# KiCad board rot.kicad_pcb (continued)
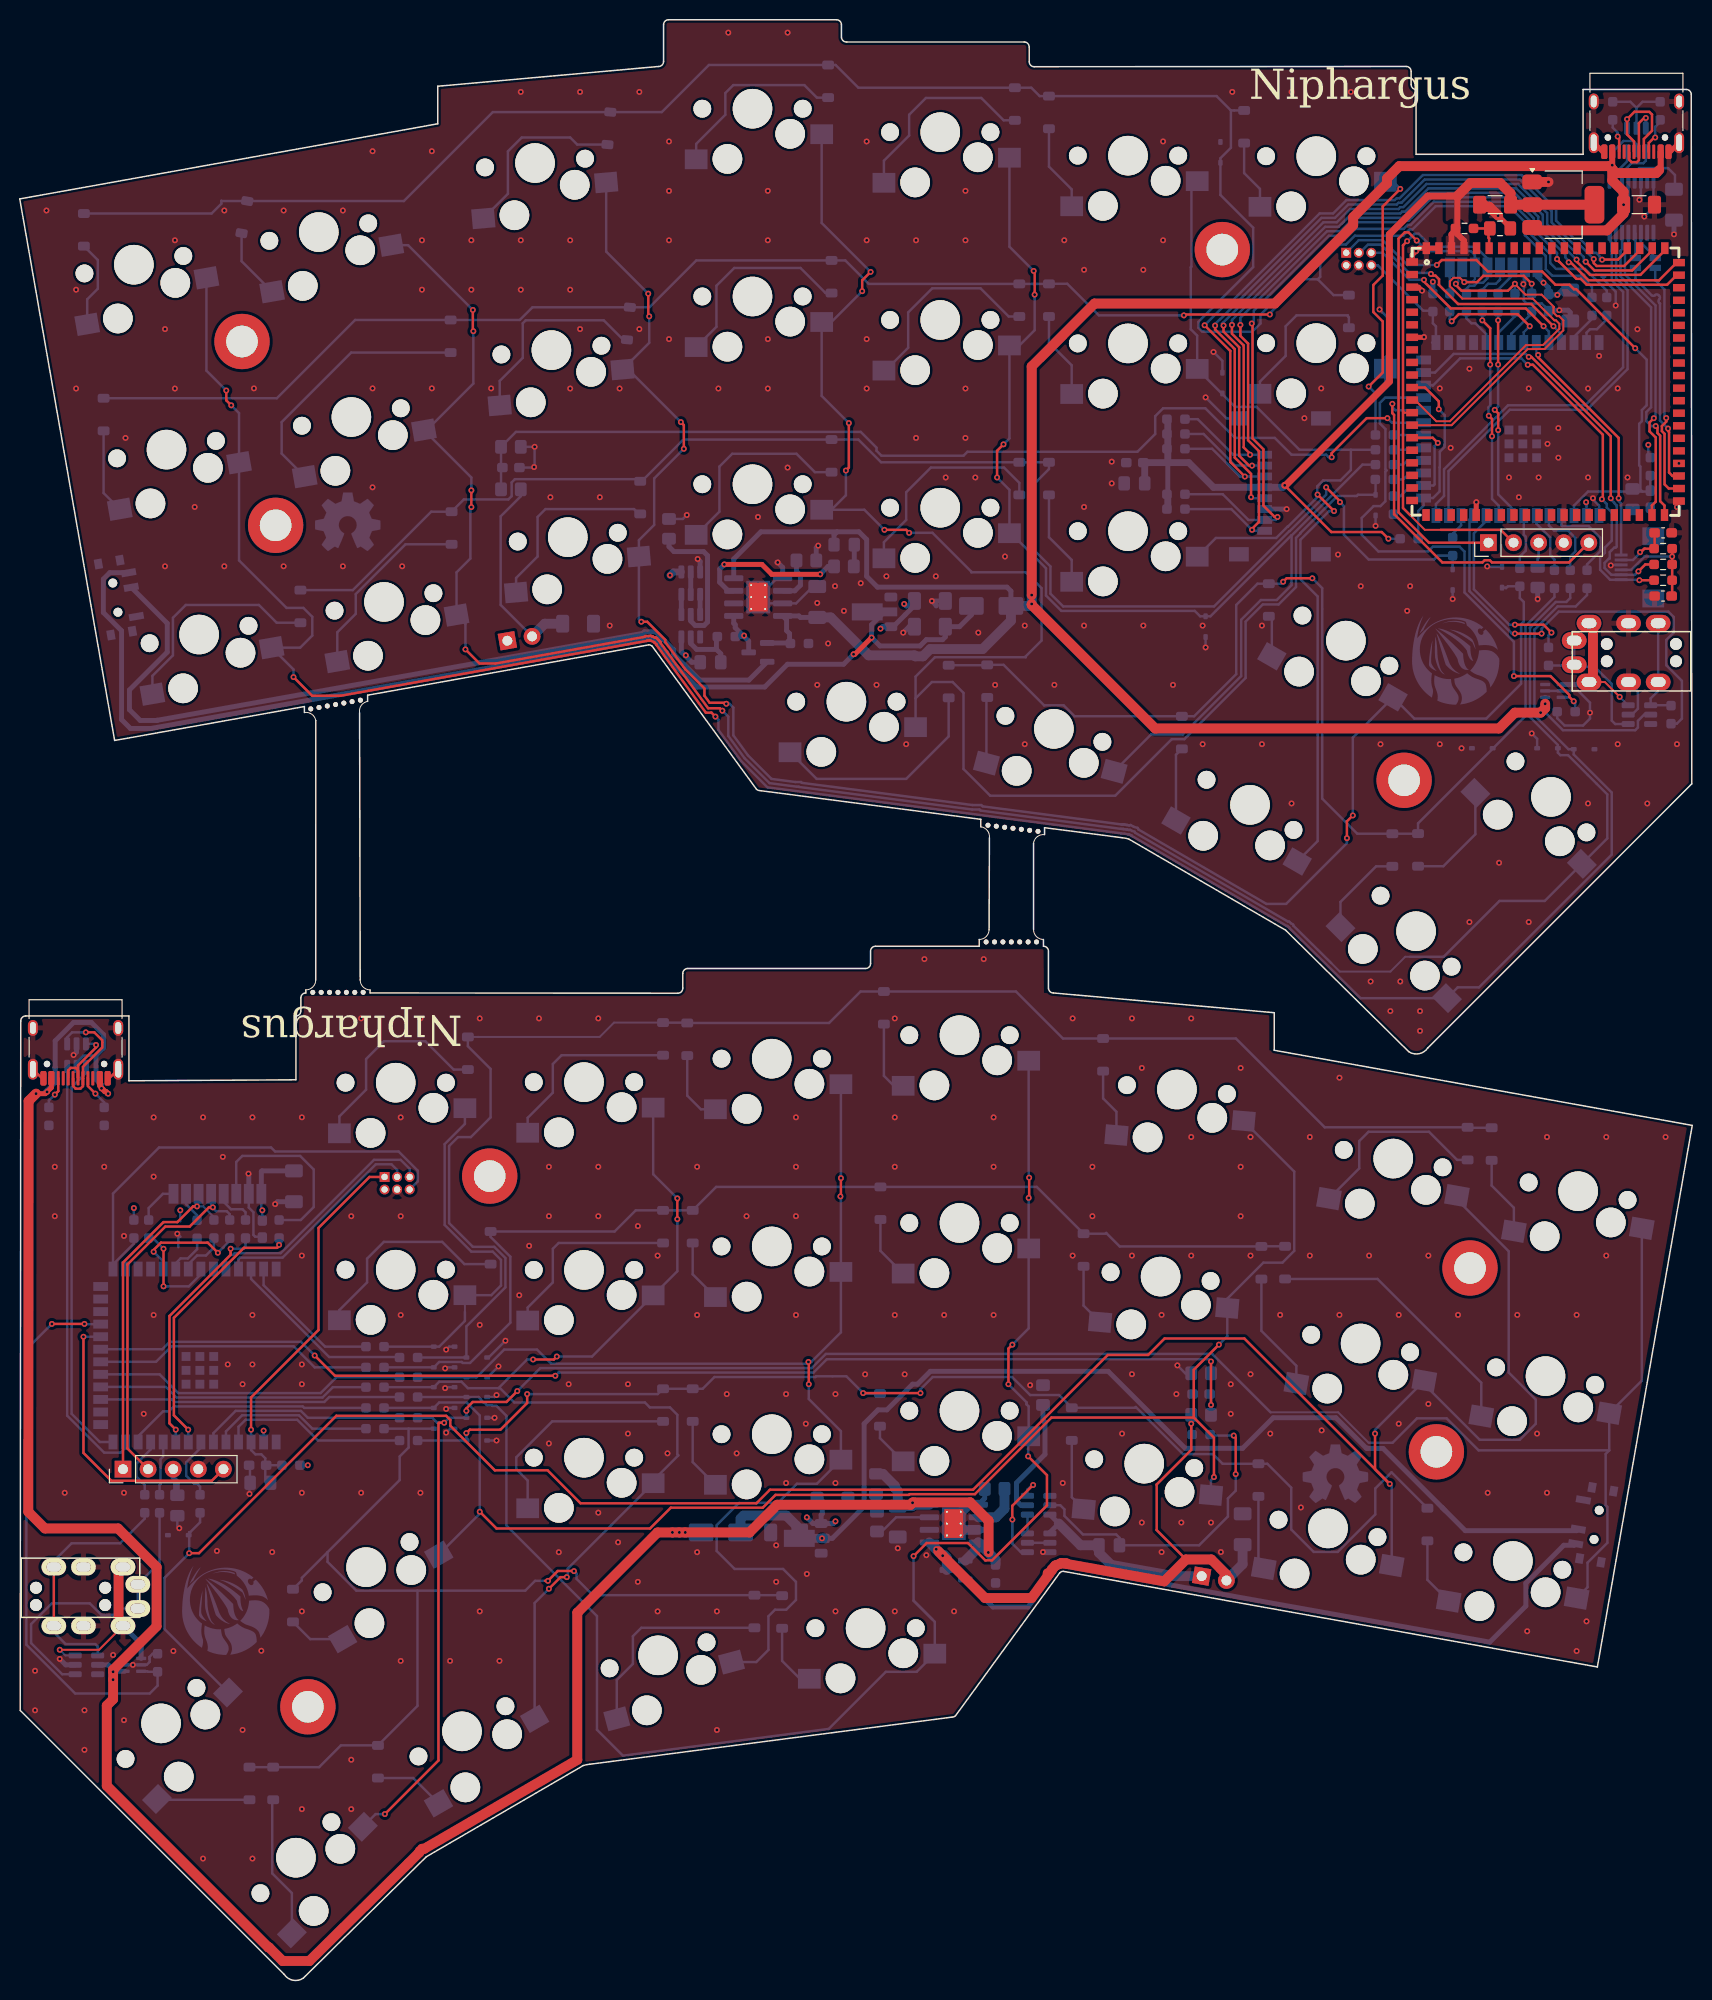
[diagram p0: board, top side]
## Routing (per net, layer and track width the routed paths; a pad name or vN(x,y) marks a point on that pad's centre or on a via; arc(x,y) is an arc through that point) (continued)
Net-(D48-A): length 16
  Bottom w0.25: SW52.2 125.5,161.76 128.1,164.36 128.1,167.36 129.2,168.46 134.4,168.46 134.4,168.36 134.5,168.26 D48.2
Net-(D49-K): length 2.2
  Bottom w0.5: D49.1 84.45,143.11 R62.1
Net-(D50-K): length 1.8
  Bottom w1: D50.1 86.65,47.51 R63.1
Net-(D51-K): length 109.7
  Bottom w0.5: 78.58,45.31 79.52,45.31 79.55,45.34 80.17,44.71 v1(81.18,44.71) 82.22,44.71 85.45,47.94 85.45,56.31 86.85,57.71 87.75,57.71 90.35,60.31 90.85,60.31 92.15,61.61 110.15,61.61 117.93,53.83 123.75,53.83 126.84,56.92 133.19,56.92 136.27,53.84 136.38,53.84 136.41,53.81 137.96,53.81 143.95,47.82 ; 144.25,47.52 143.95,47.82 ; 143.95,47.82 146.28,45.49 157.55,45.49 SW53.2
  Bottom w1: 81.56,44.71 v1(81.18,44.71) ; D51.1 72.95,46.71 73.25,47.01 77.57,47.01 78.58,46 78.58,45.31
Net-(D52-K): length 116.2
  Top w0.5: v1(86.2,135.86) 84.51,134.17 v1(84.38,134.17)
  Bottom w0.5: D52.1 96.3,138.16 95.1,136.96 C24.2 93.66,135.93 93.39,135.65 91.74,135.65 91.11,135.01 87.05,135.01 v1(86.2,135.86) 86.2,137.16 87.5,138.46 U20.2 ; v1(84.38,134.17) 83.37,133.16 77.69,133.16 75.39,130.86 68.51,130.86 65.47,133.9 65.47,134.33 64.11,135.69 63.5,135.69 63.46,135.65 13.25,126.66 11.2,126.66 10.3,127.56 10.3,136.55 8.46,138.39 8.46,141.78 9.11,142.43 SW54.3
Net-(D100-A1): length 238.2
  Top w0.25: v1(70.4,127.86) 70,128.26 69.43,128.26 64.43,135.12 64.42,135.18 64.31,135.29 64.24,135.37 64.2,135.38 64.16,135.41 63.84,135.55 63.78,135.55 63.75,135.58 63.64,135.56 63.49,135.56 63.45,135.52 32.46,129.97 29.59,129.97 v1(27.7,131.86) ; v1(20.9,160.86) 20.9,159.86 v1(21.4,159.36)
  Bottom w0.25: v1(70.4,127.86) 70.7,127.56 70.7,126.52 73,123.36 75.66,120.71 111.44,116.05 111.8,116.01 112.17,115.94 112.24,115.92 112.29,115.93 112.37,115.88 112.51,115.84 112.55,115.78 128.21,106.68 128.27,106.68 128.36,106.59 128.47,106.53 128.48,106.47 135.67,99.38 SW8.1 145.51,100.46 147.66,100.46 161.1,113.9 161.1,120.18 157.25,124.03 D100.1 156.72,124.56 153.28,128 153.28,136.67 155.62,139.01 157.45,139.01 158.6,140.16 R11.1 ; v1(27.7,131.86) 27.7,132.63 SW5.1 28.38,134.84 29.6,136.06 29.6,137.96 28.7,138.86 27,138.86 22.19,143.67 SW3.1 22.19,158.57 v1(21.4,159.36) ; SW1.1 18.89,162.87 v1(20.9,160.86)
Net-(D101-A1): length 217.2
  Top w0.25: v1(45.9,166.86) 45.85,166.91 v1(45.85,169.01) ; v1(71.1,128.46) 70.85,128.71 69.66,128.71 64.87,135.28 64.86,135.39 64.73,135.51 64.69,135.55 64.69,135.56 64.59,135.67 64.5,135.79 64.46,135.79 64.41,135.84 64.37,135.84 64.33,135.87 64.24,135.87 64.11,135.92 64.05,135.99 63.94,135.99 63.93,136 63.85,136.05 63.61,136.01 63.33,136.02 63.24,135.94 48.14,133.24 46.52,133.24 v1(45.1,134.66) ; v1(45.7,149.06) v1(45.7,150.76)
  Bottom w0.2: 140.7,103.56 140.2,103.56 138.7,102.06 133.58,102.06 132.71,102.93
  Bottom w0.25: R14.1 156.9,139.86 156.5,139.46 155.44,139.46 152.82,136.85 152.82,127.82 155.65,124.99 D101.1 155.65,124.21 155.9,123.96 156.68,123.96 158.69,121.95 ; v1(71.1,128.46) 71.7,127.86 71.7,125.91 73.34,123.65 75.87,121.13 78.64,120.77 78.83,120.77 78.86,120.74 96.39,118.46 97.12,118.46 97.23,118.35 111.42,116.51 111.46,116.5 111.63,116.5 111.65,116.48 111.69,116.48 111.71,116.49 111.87,116.46 112.04,116.44 112.05,116.42 112.09,116.41 112.11,116.42 112.24,116.39 112.35,116.41 112.55,116.3 112.82,116.22 112.88,116.11 128.33,107.13 128.46,107.13 128.64,106.95 128.85,106.82 128.88,106.71 132.71,102.93 ; 158.68,121.96 160.65,119.99 160.65,115.54 SW15.1 154.32,109.21 149.74,109.21 144.09,103.56 140.7,103.56 ; 45.9,168.96 v1(45.85,169.01) 39.3,175.57 SW10.1 ; v1(45.7,150.76) 45.7,152.05 SW12.1 41.19,156.85 45.9,161.56 v1(45.9,166.86) ; v1(45.7,149.06) 45.6,148.96 45.6,143.86 44.2,142.46 SW14.1 45.1,137.24 v1(45.1,134.66)
Net-(D102-A1): length 182.6
  Top w0.25: v1(62.9,137.46) 63.49,137.46 65.31,135.64 65.31,135.43 67.33,132.66 69.29,130.71 69.29,129.98 69.81,129.26 71.4,129.26 v1(71.5,129.16) ; v1(134.3,115.56) 134.3,117.26 v1(134.9,117.86) ; v1(63.6,170.66) 63.6,168.46 v1(63.7,168.36) ; v1(66.9,157.66) 67.2,157.36 v1(67.2,154.96)
  Bottom w0.25: SW17.1 59.34,174.92 v1(63.6,170.66) 63.7,170.56 ; v1(63.7,168.36) 63.7,165.69 SW19.1 61.57,162.99 v1(66.9,157.66) 67.1,157.46 ; v1(134.3,115.56) 134.3,115.06 128.15,108.91 126.15,108.91 113.22,116.43 113.12,116.6 112.73,116.71 112.42,116.9 112.28,116.86 112.27,116.87 112.16,116.88 112.06,116.91 112.03,116.89 111.94,116.9 111.84,116.92 111.81,116.95 111.69,116.95 111.61,116.97 111.59,116.95 111.49,116.95 111.47,116.95 97.44,118.78 97.31,118.91 96.42,118.91 79.14,121.16 79.05,121.25 78.48,121.25 76.08,121.56 73.69,123.95 72.21,125.97 72.21,128.77 71.82,129.16 v1(71.5,129.16) ; v1(134.9,117.86) 134.9,125.74 SW24.1 141.12,127.66 148.4,127.66 151.93,131.19 151.93,137.22 152.2,137.5 152.2,139.46 151.8,139.86 R20.1 150.59,141.05 150.4,140.86 150.35,140.91 D102.1 ; v1(67.2,154.96) 64.2,151.96 64.2,147.26 62.65,145.72 SW21.1 62.65,137.71 v1(62.9,137.46)
Net-(D103-A1): length 173
  Top w0.25: v1(85.25,170.91) 85.25,172.01 v1(86.1,172.86) ; v1(90,146.46) 89.7,146.76 v1(87.5,146.76) ; v1(83.9,157.56) 83.9,153.06 v1(83.6,152.76)
  Bottom w0.25: 85.3,170.96 v1(85.25,170.91) 82.13,167.8 SW27.1 81.15,160.31 v1(83.9,157.56) ; 90.65,129.71 92.3,131.36 94.4,131.36 95.5,130.26 95.5,122.56 98.2,119.86 110.86,119.86 116.58,125.58 117.86,125.58 124.05,131.78 124.05,137.48 125.79,139.21 127.39,139.21 129.15,140.98 129.15,145.95 129.58,146.38 129.58,146.43 133.34,150.19 135.3,150.19 135.43,150.31 137.2,150.31 137.2,151.84 R21.1 ; 90.65,129.71 90.65,131.91 92.61,133.88 101.8,133.88 101.8,133.96 103.4,135.56 103.4,140.86 101.8,142.46 96.3,142.46 96.3,142.52 92.36,146.46 v1(90,146.46) ; 90.65,129.71 SW31.1 ; v1(87.5,146.76) 85.47,148.8 SW30.1 82.13,148.8 83.6,150.26 v1(83.6,152.76) ; SW26.1 81.15,177.81 v1(86.1,172.86) 86.2,172.76
Net-(D104-A1): length 124.7
  Top w0.25: v1(102.6,172.96) 102.7,172.86 v1(102.7,170.56) ; v1(98.9,152.06) 98.9,154.76 v1(99.55,155.41)
  Bottom w0.25: 128.7,146.18 128.7,141.16 127.2,139.66 125.6,139.66 123.6,137.66 123.6,131.96 117.7,126.06 114.48,126.06 SW40.1 ; 128.7,146.18 128.66,146.18 120.49,138.01 D104.1 119.45,138.01 118.9,138.56 105.4,138.56 103.85,140.11 103.85,142.87 100.3,146.42 SW38.1 100.15,150.81 v1(98.9,152.06) ; 128.7,146.18 135.88,153.36 R23.1 ; 102.7,172.86 v1(102.6,172.96) 100.15,175.41 SW33.1 ; v1(102.7,170.56) 102.7,166.96 101.16,165.42 SW35.1 100.15,156.01 v1(99.55,155.41) 99.4,155.26
Net-(D105-A1): length 104
  Top w0.25: v1(133,148.66) v1(131.33,150.33)
  Bottom w0.25: R25.1 134.7,154.86 ; 134.7,154.86 129.5,154.86 125.16,159.21 122.99,159.21 SW43.1 119.15,166.41 118.5,167.06 118.5,173.33 118.56,173.4 118.56,181.46 SW41.1 ; 134.7,154.86 134.7,152.82 133.64,151.76 131.9,151.76 131.3,151.16 131.3,150.36 v1(131.33,150.33) 131.33,150.09 128.33,147.08 128.29,147.08 127.14,145.94 121.04,145.94 SW45.1 ; SW47.1 131.34,115.27 131.34,140.02 129.6,141.76 129.6,145.76 132.5,148.66 v1(133,148.66)
Net-(D106-A1): length 34.4
  Top w0.25: v1(136.5,161.26) 137.93,162.69 137.93,167.85 136.97,168.8 136.97,171.54 137.93,172.49 137.93,179.49 v1(139.7,181.26)
  Bottom w0.2: D106.1 138.5,164.56 138.2,164.26 SW52.1
  Bottom w0.25: 137.19,160.65 137.11,160.65 v1(136.5,161.26) ; 137.19,160.65 R27.1 ; 137.19,160.65 138.2,161.66 SW52.1 ; v1(139.7,181.26) 138.97,181.99 SW49.1
Net-(D107-A2): length 205
  Bottom w0.25: 122.56,189.2 121.11,190.65 D38.1 103.21,190.65 102.36,191.5 D30.1 84.86,191.5 82.56,193.8 D21.1 69.74,193.8 64.97,189.04 D16.1 47.87,189.04 38.87,180.03 D9.1 20.43,180.03 20.4,180.06 20.4,179.76 19.41,178.77 D2.1 ; 122.56,189.2 D46.1 ; 122.56,189.2 122.56,185.43 121.5,184.36 D107.2 121.5,180.65 124.81,177.34 124.81,173.35 119.28,167.81 119.28,167.2 119.64,166.84 119.8,166.84 119.83,166.81 124.72,166.81 125.56,167.65 125.56,168.55 133.09,176.08 134.02,176.08 135.16,177.21 140.05,177.21 140.45,177.61 140.75,177.61 143.1,179.96 150.88,179.96 152.77,178.08 152.77,176.8 154.22,175.34 154.22,175.31 154.88,174.66 154.88,173.75 155.46,173.16 158.4,173.16 160.6,170.96 R4.2
Net-(D108-A2): length 174
  Top w0.25: v1(117.8,168.46) 117.89,168.55 v1(126.5,168.55)
  Bottom w0.25: v1(117.8,168.46) 109.2,168.46 106,171.66 104.16,171.66 D40.1 D32.1 85.91,171.65 83.54,174.03 D24.1 68.46,174.03 63.72,169.28 D18.1 51.88,169.28 50.6,168 D11.1 33.94,168 26.02,160.08 D3.1 ; 131.35,172.11 132.95,170.51 D48.1 ; 131.35,172.11 131.6,172.36 131.6,173.66 133.57,175.63 134.21,175.63 135.1,176.52 140,176.52 140.64,177.16 140.94,177.16 143.29,179.51 150.7,179.51 152.32,177.89 152.32,176.57 154.43,174.46 154.43,173.14 155.1,172.46 D108.2 158.15,172.31 159.1,171.36 R6.2 ; 131.35,172.11 129.95,172.11 126.5,168.66 v1(126.5,168.55)
Net-(D109-A2): length 151.6
  Top w0.25: v1(133.6,149.56) 133.6,149.66 v1(132.2,151.06)
  Bottom w0.25: D6.1 33.7,140.66 41.64,148.6 D13.1 44.94,149.84 49.45,149.84 49.78,150.17 49.78,151.56 50.1,151.89 62.71,151.89 62.93,151.67 67.16,155.9 D26.1 84.86,155.9 87.16,153.6 D33.1 D41.1 104.15,152.91 102.6,151.36 102.6,144.76 104.3,143.06 104.3,140.3 105.59,139.01 120.85,139.01 128.47,146.63 128.51,146.63 132.2,150.32 v1(132.2,151.06) ; D109.2 R7.2 143.51,144.15 143.12,143.76 136.5,143.76 134,146.26 134,149.16 v1(133.6,149.56)
Net-(D110-A2): length 113.4
  Top w0.25: 127.8,141.46 v1(127.85,141.51) 128.2,141.86 v1(130.8,141.86)
  Bottom w0.25: D28.1 97.86,133.06 D36.1 99.56,133.1 103.66,129 103.66,129.01 105.63,129.01 106.74,127.9 D43.1 118.84,127.9 123.1,132.16 123.1,139.16 125.25,141.31 U3.1 127.65,141.31 v1(127.85,141.51) ; R9.2 155.3,139.96 152.38,137.04 152.38,127.94 141.5,117.06 U2.1 141.46,116.03 141.45,116.01 D8.1 135.35,116.01 131.8,119.56 131.8,140.86 v1(130.8,141.86)
Net-(D111-A1): length 215.8
  Top w0.25: v1(36.95,16.81) 42.37,22.24 42.37,56.34 42.45,56.41 v1(42.95,56.41) ; v1(50.35,59.61) 49.25,58.51 45.85,58.51 45.2,57.86 v1(45.2,57.61)
  Bottom w0.2: 126.58,57.47 133.42,57.47 136.49,54.39 136.65,54.39
  Bottom w0.25: v1(50.35,59.61) 52.67,61.94 80.13,61.94 81.57,63.38 120.67,63.38 126.58,57.47 ; 160.84,53.61 160.48,53.25 160.48,48.08 160.66,47.9 160.66,44.26 158.65,42.25 158.65,39.77 SW6.1 ; 160.84,53.61 147.63,53.61 144.39,56.86 141.39,56.86 138.92,54.39 136.65,54.39 ; 160.84,53.61 SW4.1 164.14,60.67 SW2.1 ; v1(45.2,57.61) D111.1 43.45,56.91 v1(42.95,56.41) 42.25,56.41 41.75,56.91 R12.1 ; SW7.1 36.01,16.81 v1(36.95,16.81)
Net-(D112-A1): length 229.4
  Top w0.25: 17.25,43.21 18.13,43.21 32.03,57.11 43.15,57.11 43.57,56.69 43.57,56.1 48.08,51.6 53.41,51.6 56.75,48.26 74.55,48.26 75.92,49.63 96.47,49.63 110.11,63.27 114.19,63.27 115.85,64.94 123.92,64.94 v1(138.63,50.23) 137.15,51.71 v1(137.15,55.31)
  Bottom w0.25: v1(138.63,50.23) 138.83,50.02 SW13.1 ; R13.1 18.25,46.34 17.25,45.34 ; 17.25,45.34 17.1,45.19 D112.1 ; 17.25,45.34 17.15,45.34 v1(17.15,43.21) 14.65,40.71 14.65,35.54 SW16.1 ; SW9.1 145.43,79 150.68,73.76 150.68,61.49 153.41,58.75 153.41,56.31 151.79,54.69 147.73,54.69 142.13,60.29 SW11.1 137.15,55.69 v1(137.15,55.31)
Net-(D113-A1): length 150.2
  Top w0.25: v1(121.35,64.31) 118.8,61.77 118.8,56.94 ; v1(46.55,47.41) 48.25,45.71 63.78,45.71 65.88,47.81 75.18,47.81 76.48,49.11 89.98,49.11 90.05,49.18 96.65,49.18 104.41,56.94 118.8,56.94 ; 118.8,56.94 120.85,54.9 v1(120.85,50.91)
  Bottom w0.25: SW18.1 128.97,81.83 128.97,73.8 127.78,72.61 125.85,72.61 122.19,68.96 SW20.1 122.19,65.16 v1(121.35,64.31) ; SW23.1 46.55,47.21 v1(46.55,47.41) 46.55,57.15 45.23,58.46 42.45,58.46 D113.1 R19.1 ; v1(120.85,50.91) 120.54,50.61 SW22.1
Net-(D114-A1): length 162.1
  Top w0.25: v1(102.1,79.16) 102.15,79.21 v1(102.15,81.21) ; v1(102.05,53.01) 103.95,51.11 103.95,48.05 98.39,42.49 97.7,42.49 95.95,44.24 91.77,44.24 v1(90.45,42.91) ; v1(100.05,60.31) 100.05,63.91 v1(100.45,64.31)
  Bottom w0.25: v1(102.15,81.21) 102.1,81.26 SW25.1 ; v1(100.45,64.31) 102.1,65.96 SW28.1 v1(102.1,79.16) ; 101.9,58.26 101.9,58.46 v1(100.05,60.31) ; 101.9,58.26 102.1,58.06 SW29.1 102.05,55 v1(102.05,53.01) ; 101.9,58.26 101.85,58.31 ; 90.45,38.41 92.35,36.51 ; 90.45,38.41 92.6,36.26 SW32.1 90.76,31.21 87.64,31.21 81.86,25.43 61.04,22.72 58.41,25.35 58.41,36.85 49.25,46.01 49.25,57.11 48.25,58.11 47.85,58.11 47.77,58.19 47.27,58.19 47,58.46 46.92,58.46 46.67,58.72 46.67,58.79 46.45,59.01 D114.1 R22.1 ; 90.45,38.41 v1(90.45,42.91)
Net-(D115-A1): length 122.7
  Top w0.25: v1(79.85,60.31) 79.85,62.53 v1(79.81,62.56) ; v1(83.1,81.16) 83.1,79.36 v1(83.05,79.31)
  Bottom w0.25: v1(83.05,79.31) 83.1,79.26 SW36.1 83.1,65.56 80.1,62.56 v1(79.81,62.56) 79.64,62.39 53.77,62.39 52.35,63.81 49.02,63.81 46.22,61.01 D115.1 R24.1 ; 83.05,81.11 v1(83.1,81.16) 83.1,90.67 ; SW39.1 74.53,32.2 75.76,33.43 75.76,36.83 76.43,37.5 77.56,37.5 78.55,38.48 78.55,40.31 77.25,41.61 72.35,41.61 70.52,43.44 70.52,46.03 72.78,48.29 74.62,48.29 74.65,48.31 76.72,48.31 78.65,50.24 80.66,50.24 SW37.1 83.1,55.56 79.85,58.81 v1(79.85,60.31) 79.85,60.41
Net-(D116-A1): length 109.1
  Top w0.25: v1(53.55,39.61) 54.72,40.79 v1(55.35,40.79) ; v1(66.55,77.01) v1(66.55,79.11) ; v1(54.35,63.11) 54.05,62.81 v1(51.95,62.81)
  Bottom w0.25: 48.45,59.91 45.35,59.91 44.7,60.56 42.45,60.56 D116.1 R26.1 ; 48.45,59.91 51.35,62.81 v1(51.95,62.81) ; 48.45,59.91 48.6,59.91 50.05,58.46 63.26,58.46 63.76,57.96 65.8,57.96 66.55,57.21 66.55,53.21 66.65,53.11 64.1,50.56 SW46.1 55.45,41.65 55.45,40.88 v1(55.35,40.79) ; v1(54.35,63.11) 57.91,63.11 SW44.1 66.55,71.75 v1(66.55,77.01) ; v1(66.55,79.11) 64.1,81.56 SW42.1 ; SW48.1 52.1,38.17 v1(53.55,39.61)
Net-(D117-A1): length 38.3
  Bottom w0.2: 45.05,67.61 SW51.1
  Bottom w0.25: 45.05,67.61 45.05,66.71 42.45,64.11 D117.1 R28.1 ; SW50.1 45.05,86.65 43,84.6 43,76.43 45.7,73.73 47.86,73.73 48.7,72.89 48.7,70.3 47.72,69.32 SW51.1
Net-(D119-A1): length 109.6
  Bottom w0.25: D4.1 125.66,74.26 D12.1 111.31,74.25 109.95,75.61 109.87,75.54 D17.1 102.91,80.28 D23.1 70.47,80.28 D31.1 D39.1 62.33,77.9 60.2,75.76 D47.1 47.65,75.21 49.65,73.21 49.65,66.54 45.57,62.46 44.82,62.46 44.72,62.56 42.45,62.56 D119.1 R5.2
Net-(D120-A1): length 125.4
  Top w0.25: v1(45.2,55.36) 45.55,55.71 48.65,55.71 51.35,58.41 v1(51.35,59.31) ; v1(91.15,59.41) v1(85.35,59.41)
  Bottom w0.25: R8.2 D120.1 v1(45.2,55.36) ; D5.1 138.81,51.4 137.17,49.76 137.17,47.14 133.37,43.34 130.94,43.34 128.66,45.62 128.66,49.84 126.25,52.26 D14.1 121.72,52.26 120.75,53.24 117.71,53.24 112.94,58.01 112.86,57.93 D19.1 105.17,59.21 102.25,59.21 100.42,61.04 92.38,61.04 91.15,59.8 v1(91.15,59.41) ; v1(51.35,59.31) 64.56,59.31 D42.1 D34.1 69.11,59.85 70.3,61.04 80.51,61.04 80.58,61.11 83.65,61.11 v1(85.35,59.41) 85.4,59.36 D25.1
Net-(D121-A1): length 108
  Top w0.25: 53.15,40.41 v1(53.45,40.41) 54.45,41.41 56.07,41.41 v1(56.08,41.4)
  Bottom w0.25: D27.1 77.1,38.96 D35.1 58,38.96 56.35,40.61 56.35,41.14 v1(56.08,41.4) ; 23.25,21.56 30.3,21.56 32.5,23.76 D44.1 40.25,27.76 40.25,39.42 ; 39.35,55.81 D121.1 ; 39.35,55.81 R10.2 ; 39.35,55.81 39.35,53.9 38.45,53 38.45,50.61 31.15,43.31 ; 31.15,43.31 28.55,40.71 28.55,40.46 27.65,39.56 ; 31.15,43.31 31.15,42.34 34.06,39.42 40.25,39.42 ; 40.25,39.42 51.15,39.42 52.15,40.41 v1(53.45,40.41)
Net-(J7-CC1): length 3.6
  Top w0.25: J7.A5 6.9,90.48 v1(7.66,89.71)
  Bottom w0.25: R51.1 8.55,88.83 v1(7.66,89.71)
Net-(J7-CC2): length 3.3
  Top w0.25: v1(3.55,89.61) 3.9,89.96 J7.B5
  Bottom w0.25: v1(3.55,89.61) 2.95,89.01 R53.2
Net-(J7-D+-PadA6): length 8
  Top w0.25: v1(7.72,94.64) 7.72,94.39 5.9,92.56 J7.A6 5.9,92.06 5.64,92.32 5.15,92.32 4.9,92.06 J7.B6
  Bottom w0.25: U15.3 7.68,94.75 7.72,94.71 v1(7.72,94.64)
Net-(J7-D--PadA7): length 12.2
  Top w0.25: v1(6.68,95.91) 7.55,95.91 8.35,95.11 8.35,94.9 8.35,94.9 8.35,94.38 6.4,92.43 J7.B7 6.4,90.48 6.14,90.22 5.65,90.22 5.4,90.48 J7.A7
  Bottom w0.25: U15.1 4.8,95.41 5.3,95.91 v1(6.68,95.91)
Net-(J8-CC1): length 3.8
  Top w0.25: J8.A5 164.85,185.91 165.4,186.46 v1(165.5,186.46)
  Bottom w0.25: R50.1 166,188.04 165.5,187.54 v1(165.5,186.46)
Net-(J8-CC2): length 3.5
  Top w0.25: J8.B5 161.85,186.41 v1(161.7,186.56)
  Bottom w0.25: v1(161.7,186.56) 161.7,186.96 161.2,187.46 R52.2
Net-(J8-D+-PadA6): length 7.7
  Top w0.25: J8.B6 162.85,184.23 163.11,183.97 163.64,183.97 163.85,184.18 J8.A6 163.85,187.91 164.38,188.44 v1(164.55,188.44)
  Bottom w0.25: U14.3 v1(164.55,188.44)
Net-(J8-D--PadA7): length 11.6
  Top w0.25: J8.B7 164.35,186.32 165.18,187.14 165.18,188.79 164.9,189.06 163.4,189.06 v1(162.65,188.31) 162.65,186.77 163.35,186.07 J8.A7
  Bottom w0.25: U14.1 v1(162.65,188.31)
Net-(JP1-A): length 23.8
  Top w0.25: v1(166.8,157.01) 166.8,156.76 166.9,156.66 166.9,152.56 167.25,152.21 167.9,152.21
  Bottom w0.25: JP1.1 163.5,172.14 165.13,170.5 arc(165.3,170.43) 165.47,170.5 165.49,170.52 arc(165.65,170.59) 165.82,170.52 165.91,170.43 arc(165.98,170.26) 165.91,170.09 165.9,170.08 arc(165.82,169.91) 165.9,169.74 165.98,169.65 165.98,157.83 v1(166.8,157.01)
Net-(JP2-A): length 24.3
  Top w0.25: U16.42 166.87,150.94 166.45,151.36 166.45,156.48 166.18,156.75 166.18,157.27 166.62,157.71 v1(166.62,158.08)
  Bottom w0.25: v1(166.62,158.08) 166.43,158.26 166.43,171.09 165.5,172.02 JP2.1
Net-(Q1-S): length 71.2
  Bottom w0.5: SW53.3 157.29,44.02 156.25,44.02 152.41,40.17 152.41,37.86 148.75,34.21 105.86,41.89 105.8,41.94 105.63,41.93 105.6,41.96 105.17,41.96 104.96,41.74 104.93,41.74 104.85,41.62 104.7,41.48 104.7,41.41 102.04,37.77 98.48,37.77 95.68,40.56
Net-(Q2-S): length 84.4
  Bottom w0.5: SW54.2 14.92,137.3 14.92,134.39 11.1,130.56 11.1,128.56 12.19,127.47 13.79,127.47 13.9,127.49 13.91,127.49 63.05,136.29 63.21,136.45 64.34,136.45 66.17,134.62 66.17,134.19 68.8,131.56 73.79,131.56 Q2.2
Net-(Q3-D12-Pad2): length 2.3
  Bottom w0.25: Q3.5 Q3.2
Net-(Q3-G1): length 1.9
  Bottom w0.25: U22.1 Q3.6
Net-(Q3-G2): length 10.4
  Top w0.25: v1(102.55,50.11) 100.45,48.01 v1(100.45,46.61)
  Bottom w0.25: Q3.4 101.31,43.31 100.45,44.18 v1(100.45,46.61) 100.45,46.31 ; v1(102.55,50.11) 102.45,50.11 101.97,49.64 101.97,49.01
Net-(Q4-D12-Pad2): length 2.3
  Bottom w0.5: Q4.5 Q4.2
Net-(Q4-G1): length 2
  Bottom w0.5: Q4.6 U23.1
Net-(Q4-G2): length 2
  Bottom w0.5: Q4.4 U23.3
Net-(U1-A): length 9.4
  Bottom w0.25: U1.2 13.96,18.26 SW16.2
Net-(U2-A): length 11.3
  Bottom w0.25: SW15.2 147.3,115.96 144.06,112.73 U2.2
Net-(U3-A): length 4.2
  Bottom w0.25: SW24.2 126.7,137.71 U3.2
Net-(U4-A): length 5.7
  Bottom w0.25: U4.2 29.39,34.52 SW23.2
Net-(U5-GPIO38/FSPIWP/SUBSPIWP): length 11.6
  Top w0.25: v1(13.55,73.71) 13.55,73.9 14.29,74.64 19.02,74.64 v1(20.05,73.61)
  Bottom w0.25: U5.31 14.52,72.74 v1(13.55,73.71) ; v1(20.05,73.61) 21.25,74.81 21.25,75.19
Net-(U5-MTCK/GPIO39/CLK_OUT3/SUBSPICS1): length 4.4
  Bottom w0.25: R15.1 17.95,73.97 17.01,73.04 16.27,73.04 15.79,72.55 U5.32
Net-(U5-MTDO/GPIO40/CLK_OUT2): length 4.7
  Bottom w0.25: U5.33 17.06,72.45 17.95,73.34 18.85,73.34 19.65,74.14 R17.1
Net-(U6-GPIO38/FSPIWP/SUBSPIWP): length 4.3
  Bottom w0.25: U6.31 148.39,166.57 147.3,167.66 146.9,167.66 146.4,168.16 146.4,168.94
Net-(U6-MTCK/GPIO39/CLK_OUT3/SUBSPICS1): length 3.9
  Bottom w0.25: U6.32 149.66,166.72 151.3,168.36 151.3,168.91
Net-(U6-MTDO/GPIO40/CLK_OUT2): length 4.1
  Bottom w0.25: U6.33 150.93,166.59 153,168.66 153,168.94
Net-(U7-CE): length 19.7
  Bottom w0.25: U7.3 21.91,82.8 22.52,83.41 28.37,83.41 29.75,82.04 29.75,78.24 28.43,76.93 R38.2
Net-(U7-IRQ): length 4.3
  Bottom w0.25: U7.8 14.48,79.58 13.05,78.14 R40.2
Net-(U7-~{CSN}): length 4.3
  Bottom w0.25: 22.85,76.84 22.85,77.71 22.55,78.01 21.38,78.01 20.64,78.76 U7.4
Net-(U8-CE): length 3.3
  Bottom w0.25: U8.3 151.06,172.52 149.6,171.06 149.6,170.59
Net-(U8-IRQ): length 2.7
  Bottom w0.25: U8.8 144.7,173.32 144.7,170.59
Net-(U8-~{CSN}): length 3.9
  Bottom w0.25: U8.4 149.79,172.08 149.38,171.66 148.6,171.66 148,171.06 148,170.59
Net-(U9-IO1): length 15.6
  Bottom w0.25: U9.1 161.45,127.11 161.1,127.46 161.1,131.16 159.35,132.91 157.1,132.91 J6.R2 ; J6.R2 157.22,133.04 R47.1 ; J6.R2 J6.R2
Net-(U9-IO3): length 10.7
  Bottom w0.25: 165.8,137.31 J6.R1 165.8,130.46 165.04,129.7 U9.4 167.06,129.01 R45.1
Net-(U10-IO1): length 30.7
  Bottom w0.25: 5.61,30.96 4.3,30.96 1.15,34.11 1.15,36.04 3.25,38.14 7.09,38.14 8.24,36.98 9.58,36.98 10.21,37.61 J5.R2 J5.R2 14.15,42.26 R46.1
Net-(U10-IO3): length 24.7
  Top w0.25: J5.R1 J5.R1
  Bottom w0.25: J5.R1 3.45,35.21 4.65,34.01 7.65,34.01 7.88,33.78 U10.4 ; J5.R1 3.45,42.41 5.25,44.21 10.15,44.21 12.65,46.71 R44.1
Net-(U13-VDD33_{LDO}): length 7
  Bottom w0.25: U13.13 163.42,182.91 163.87,183.36 166.8,183.36 167.5,182.66 167.5,181.03
Net-(U16-CHIP_PU): length 3.5
  Top w0.25: U16.75 148.69,176.25 148.7,176.26 148.62,176.34 148.62,177.26 147.12,177.26
Net-(U18-PROG): length 4.7
  Bottom w0.5: U18.2 78.43,140.59 79,141.16 79,142.16 78.6,142.56 R68.1
Net-(U18-~{CHRG}): length 15.6
  Top w0.5: v1(71.3,143.26) 75.1,143.26 76.1,142.26 v1(81,142.26)
  Bottom w0.5: R62.2 81.8,143.06 v1(81,142.26) ; v1(71.3,143.26) 70.83,142.79 70.83,141.46 71.69,140.59 U18.7
Net-(U19-PROG): length 5
  Bottom w1: R69.1 99.65,47.71 98.78,46.84 U19.2
Net-(U19-~{CHRG}): length 5.9
  Bottom w0.25: R63.2 87.25,45.41 88.68,46.84 U19.7
Net-(U22-CS): length 12.3
  Bottom w0.5: R72.1 103.55,56.65 103.75,56.45 103.75,53.21 100.86,50.33 100.86,48.51 101.31,48.06 U22.2
Net-(U22-VCC): length 32.7
  Top w0.25: v1(122.85,55.11) 123.05,54.91 v1(123.05,51.21)
  Bottom w0.25: v1(123.05,51.21) 123.05,49.54 122.26,48.75 122.26,46.92 119.35,44.01 C28.1 111.28,44.78 110.95,45.11 107.58,45.11 105.72,46.98 105.72,47.64 105.3,48.06 U22.5 ; v1(122.85,55.11) 120.65,55.11 120.55,55.21
Net-(U23-CS): length 14.5
  Bottom w0.5: U23.2 67.9,137.54 68.35,137.09 69.25,137.09 69.6,137.44 69.6,144.16 69.2,144.56 66.2,144.56 65.7,145.06 R73.1
Net-(U23-VCC): length 6.3
  Bottom w0.5: C27.1 70.94,134.23 70.5,134.66 ; 70.5,134.66 68.5,134.66 67.9,135.26 U23.5 ; 70.5,134.66 70.5,135.96

## Copper pours and planes (outline as drawn; the poured copper is in the pictures)
+3.3V on In2.Cu: 140.78,191.35 140.78,193.65 121.13,193.67 102.13,193.67 102.13,196.17 83.13,196.17 83.13,198.47 65.13,198.47 65.08,193.65 42.28,191.65 42.28,187.85 -0.02,180.25 6.08,145.65 6.38,143.55 6.58,142.65 6.88,140.95 9.58,125.45 63.73,135.17 74.48,120.25 111.54,115.6 141.22,93.09 169.18,121.05 169.18,191.5
+3.3V_D on In2.Cu: 28.49,97.57 28.49,99.87 48.14,99.9 67.14,99.9 67.14,102.4 86.14,102.4 86.14,104.7 104.14,104.7 104.19,99.87 126.99,97.87 126.99,94.07 169.29,86.47 163.19,51.87 162.89,49.77 162.69,48.87 162.39,47.17 159.69,31.67 105.54,41.4 94.79,26.47 57.72,21.83 28.04,-0.68 0.09,27.27 0.09,97.72
+5V on Bottom: 74.9,134.96 77.3,134.46 78.7,134.56 78.7,136.26 81.7,136.26 81.7,138.66 78.2,138.5 76.2,138.5 76.1,137.66 74.6,135.86
+5V_D on Bottom: 7.15,32.31 8.95,32.31 9.75,31.51 11.35,31.51 11.35,29.91 8.96,29.91 8.75,31.41 7.05,31.41
GND on Top, Bottom, In1.Cu: 140.8,191.35 140.8,193.65 121.15,193.68 102.15,193.68 102.15,196.18 83.15,196.18 83.15,198.48 65.15,198.48 65.1,193.65 42.3,191.65 42.3,187.85 0,180.25 6.1,145.65 6.4,143.55 6.6,142.65 6.9,140.95 9.6,125.45 63.75,135.18 74.5,120.25 111.56,115.6 141.24,93.09 169.2,121.05 169.2,191.5
GND on Top, Bottom, In1.Cu: 27.95,97.61 27.95,99.91 47.6,99.93 66.6,99.93 66.6,102.43 85.6,102.43 85.6,104.73 103.6,104.73 103.65,99.91 126.45,97.91 126.45,94.11 168.75,86.51 162.65,51.91 162.35,49.81 162.15,48.91 161.85,47.21 159.15,31.71 105,41.43 94.25,26.51 57.18,21.86 27.5,-0.65 -0.45,27.31 -0.45,97.76
GND on Bottom: 94.55,42.91 93.25,44.01 93.15,48.61 90.65,49.41 91.75,50.81 98.45,50.61 98.25,47.51 95.95,47.41 95.95,44.01
+BATT on Bottom: 71.1,138.46 71.5,135.96 71.8,134.36 71.8,132.36 73.7,131.86 74.7,132.96 74.6,137.26 73.3,138.56
-BATT_D on Bottom: 103.45,44.81 103.55,47.51 105.55,47.51 105.65,44.71
/P4/P4_3V3 on Top: 144.3,174.46 146.7,174.46 146.7,176.46 146.6,178.36 146.7,180.96 144.3,180.86
/right/TIP_5V on Top, Bottom: 11.75,32.41 12.85,32.41 12.15,35.91 12.1,36.86 9,36.96 9.05,35.31 11.25,33.11

## Text on the board
B.Silkscreen: V1.0.0  08/2026  By mornepousse | Niphargus
F.Silkscreen: Niphargus
